# KiCad board untitled.kicad_pcb (continued)
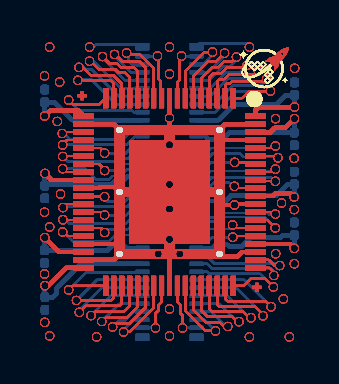
[diagram p0: board, top side]
## Routing (per net, layer and track width the routed paths; a pad name or vN(x,y) marks a point on that pad's centre or on a via; arc(x,y) is an arc through that point) (continued)
/PIN 1: length 123.4
  Top w0.1: 5.72,11.89 5.72,11.22 ; 5.72,11.89 5.71,11.9 ; 5.72,11.89 5.71,11.9 ; 5.72,11.89 5.72,11.22 ; 5.72,11.89 5.72,11.22 ; 5.72,11.89 5.72,11.22 ; 5.72,11.89 5.71,11.9 ; 5.72,11.89 5.71,11.9 ; 5.72,11.89 5.72,11.22 ; 5.72,11.89 5.71,11.9 ; 5.72,11.89 5.71,11.9 ; 5.72,11.89 5.71,11.9 ; 5.72,11.89 5.71,11.9 ; 5.72,11.89 5.71,11.9 ; 5.72,11.89 5.72,11.22 ; 5.72,11.89 5.71,11.9 ; 5.72,11.89 5.72,11.22 ; 5.72,11.89 5.72,11.22 ; 5.72,11.89 5.71,11.9 ; 5.72,11.89 5.72,11.22 ; 5.72,11.89 5.71,11.9 ; 5.72,11.89 5.71,11.9 ; 5.72,11.89 5.72,11.22 ; 5.72,11.89 5.72,11.22 ; 5.72,11.89 5.72,11.22 ; 5.72,11.89 5.72,11.22 ; 5.72,11.89 5.71,11.9 ; 5.72,11.89 5.72,11.22 ; 5.72,11.89 5.71,11.9 ; 5.72,11.89 5.72,11.22 ; 5.72,11.89 5.71,11.9 ; 5.72,11.89 5.71,11.9 ; 5.72,11.89 5.71,11.9 ; 5.72,11.89 5.72,11.22 ; 5.72,11.89 5.72,11.22 ; 5.72,11.89 5.72,11.22 ; 5.72,11.89 5.71,11.9 ; 5.72,11.89 5.72,11.22 ; 5.72,11.89 5.71,11.9 ; 5.72,11.89 5.71,11.9 ; 5.72,11.89 5.72,11.22 ; 5.72,11.89 5.71,11.9 ; 5.72,11.89 5.72,11.22 ; 5.72,11.89 5.72,11.22 ; 5.72,11.89 5.72,11.22 ; 5.72,11.89 5.71,11.9 ; 5.72,11.89 5.72,11.22 ; 5.72,11.89 5.71,11.9 ; 5.72,11.89 5.71,11.9 ; 5.72,11.89 5.72,11.22 ; 5.72,11.89 5.71,11.9 ; 5.72,11.89 5.72,11.22 ; 5.72,11.89 5.72,11.22 ; 5.72,11.89 5.71,11.9 ; 5.72,11.89 5.71,11.9 ; 5.72,11.89 5.72,11.22 ; 5.72,11.89 5.71,11.9 ; 5.72,11.89 5.71,11.9 ; 5.72,11.89 5.71,11.9 ; 5.72,11.89 5.71,11.9 ; 5.72,11.89 5.72,11.22 ; 5.72,11.89 5.71,11.9 ; 5.72,11.89 5.72,11.22 ; 5.72,11.89 5.71,11.9 ; 5.72,11.89 5.72,11.22 ; 5.72,11.89 5.71,11.9 ; 5.72,11.89 5.71,11.9 ; 5.72,11.89 5.71,11.9 ; 5.72,11.89 5.72,11.22 ; 5.72,11.89 5.72,11.22 ; 5.72,11.89 5.72,11.22 ; 5.72,11.89 5.71,11.9 ; 5.72,11.89 5.72,11.22 ; 5.72,11.89 5.72,11.22 ; 5.72,11.89 5.72,11.22 ; 5.72,11.89 5.71,11.9 ; 5.72,11.89 5.72,11.22 ; 5.72,11.89 5.71,11.9 ; 5.72,11.89 5.72,11.22 ; 5.72,11.89 5.72,11.22 ; 5.72,11.89 5.71,11.9 ; 5.72,11.89 5.72,11.22 ; 5.72,11.89 5.71,11.9 ; 5.72,11.89 5.72,11.22 ; 5.72,11.22 5.8,11.14 ; 5.72,11.22 5.8,11.14 ; 5.72,11.22 5.8,11.14 ; 5.72,11.22 5.8,11.14 ; 5.72,11.22 5.8,11.14 ; 5.72,11.22 5.8,11.14 ; 5.72,11.22 5.8,11.14 ; 5.72,11.22 5.8,11.14 ; 5.72,11.22 5.8,11.14 ; 5.72,11.22 5.8,11.14 ; 5.72,11.22 5.8,11.14 ; 5.72,11.22 5.8,11.14 ; 5.72,11.22 5.8,11.14 ; 5.72,11.22 5.8,11.14 ; 5.72,11.22 5.8,11.14 ; 5.72,11.22 5.8,11.14 ; 5.72,11.22 5.8,11.14 ; 5.72,11.22 5.8,11.14 ; 5.72,11.22 5.8,11.14 ; 5.72,11.22 5.8,11.14 ; 5.72,11.22 5.8,11.14 ; 5.72,11.22 5.8,11.14 ; 5.72,11.22 5.8,11.14 ; 5.72,11.22 5.8,11.14 ; 5.72,11.22 5.8,11.14 ; 5.72,11.22 5.8,11.14 ; 5.72,11.22 5.8,11.14 ; 5.72,11.22 5.8,11.14 ; 5.72,11.22 5.8,11.14 ; 5.72,11.22 5.8,11.14 ; 5.72,11.22 5.8,11.14 ; 5.72,11.22 5.8,11.14 ; 5.72,11.22 5.8,11.14 ; 5.72,11.22 5.8,11.14 ; 5.72,11.22 5.8,11.14 ; 5.72,11.22 5.8,11.14 ; 5.72,11.22 5.8,11.14 ; 5.72,11.22 5.8,11.14 ; 5.72,11.22 5.8,11.14 ; 5.72,11.22 5.8,11.14 ; 5.72,11.22 5.8,11.14 ; 5.72,11.22 5.8,11.14 ; v1(5.66,12.38) 5.66,12.28 ; v1(5.66,12.38) 5.66,12.28 ; v1(5.66,12.38) 5.66,12.28 ; v1(5.66,12.38) 5.66,12.28 ; v1(5.66,12.38) 5.66,12.28 ; v1(5.66,12.38) 5.66,12.28 ; v1(5.66,12.38) 5.66,12.28 ; v1(5.66,12.38) 5.66,12.28 ; v1(5.66,12.38) 5.66,12.28 ; v1(5.66,12.38) 5.66,12.28 ; v1(5.66,12.38) 5.66,12.28 ; v1(5.66,12.38) 5.66,12.28 ; v1(5.66,12.38) 5.66,12.28 ; v1(5.66,12.38) 5.66,12.28 ; v1(5.66,12.38) 5.66,12.28 ; v1(5.66,12.38) 5.66,12.28 ; v1(5.66,12.38) 5.66,12.28 ; v1(5.66,12.38) 5.66,12.28 ; v1(5.66,12.38) 5.66,12.28 ; v1(5.66,12.38) 5.66,12.28 ; v1(5.66,12.38) 5.66,12.28 ; v1(5.66,12.38) 5.66,12.28 ; v1(5.66,12.38) 5.66,12.28 ; v1(5.66,12.38) 5.66,12.28 ; v1(5.66,12.38) 5.66,12.28 ; v1(5.66,12.38) 5.66,12.28 ; v1(5.66,12.38) 5.66,12.28 ; v1(5.66,12.38) 5.66,12.28 ; v1(5.66,12.38) 5.66,12.28 ; v1(5.66,12.38) 5.66,12.28 ; v1(5.66,12.38) 5.66,12.28 ; v1(5.66,12.38) 5.66,12.28 ; v1(5.66,12.38) 5.66,12.28 ; v1(5.66,12.38) 5.66,12.28 ; v1(5.66,12.38) 5.66,12.28 ; v1(5.66,12.38) 5.66,12.28 ; v1(5.66,12.38) 5.66,12.28 ; v1(5.66,12.38) 5.66,12.28 ; v1(5.66,12.38) 5.66,12.28 ; v1(5.66,12.38) 5.66,12.28 ; v1(5.66,12.38) 5.66,12.28 ; v1(5.66,12.38) 5.66,12.28 ; 5.66,12.28 5.71,12.23 ; 5.66,12.28 5.71,12.23 ; 5.66,12.28 5.71,12.23 ; 5.66,12.28 5.71,12.23 ; 5.66,12.28 5.71,12.23 ; 5.66,12.28 5.71,12.23 ; 5.66,12.28 5.71,12.23 ; 5.66,12.28 5.71,12.23 ; 5.66,12.28 5.71,12.23 ; 5.66,12.28 5.71,12.23 ; 5.66,12.28 5.71,12.23 ; 5.66,12.28 5.71,12.23 ; 5.66,12.28 5.71,12.23 ; 5.66,12.28 5.71,12.23 ; 5.66,12.28 5.71,12.23 ; 5.66,12.28 5.71,12.23 ; 5.66,12.28 5.71,12.23 ; 5.66,12.28 5.71,12.23 ; 5.66,12.28 5.71,12.23 ; 5.66,12.28 5.71,12.23 ; 5.66,12.28 5.71,12.23 ; 5.66,12.28 5.71,12.23 ; 5.66,12.28 5.71,12.23 ; 5.66,12.28 5.71,12.23 ; 5.66,12.28 5.71,12.23 ; 5.66,12.28 5.71,12.23 ; 5.66,12.28 5.71,12.23 ; 5.66,12.28 5.71,12.23 ; 5.66,12.28 5.71,12.23 ; 5.66,12.28 5.71,12.23 ; 5.66,12.28 5.71,12.23 ; 5.66,12.28 5.71,12.23 ; 5.66,12.28 5.71,12.23 ; 5.66,12.28 5.71,12.23 ; 5.66,12.28 5.71,12.23 ; 5.66,12.28 5.71,12.23 ; 5.66,12.28 5.71,12.23 ; 5.66,12.28 5.71,12.23 ; 5.66,12.28 5.71,12.23 ; 5.66,12.28 5.71,12.23 ; 5.66,12.28 5.71,12.23 ; 5.66,12.28 5.71,12.23 ; 5.8,11.14 5.8,10.34 ; 5.8,11.14 5.8,10.34 ; 5.8,11.14 5.8,10.34 ; 5.8,11.14 5.8,10.34 ; 5.8,11.14 5.8,10.34 ; 5.8,11.14 5.8,10.34 ; 5.8,11.14 5.8,10.34 ; 5.8,11.14 5.8,10.34 ; 5.8,11.14 5.8,10.34 ; 5.8,11.14 5.8,10.34 ; 5.8,11.14 5.8,10.34 ; 5.8,11.14 5.8,10.34 ; 5.8,11.14 5.8,10.34 ; 5.8,11.14 5.8,10.34 ; 5.8,11.14 5.8,10.34 ; 5.8,11.14 5.8,10.34 ; 5.8,11.14 5.8,10.34 ; 5.8,11.14 5.8,10.34 ; 5.8,11.14 5.8,10.34 ; 5.8,11.14 5.8,10.34 ; 5.8,11.14 5.8,10.34 ; 5.8,11.14 5.8,10.34 ; 5.8,11.14 5.8,10.34 ; 5.8,11.14 5.8,10.34 ; 5.8,11.14 5.8,10.34 ; 5.8,11.14 5.8,10.34 ; 5.8,11.14 5.8,10.34 ; 5.8,11.14 5.8,10.34 ; 5.8,11.14 5.8,10.34 ; 5.8,11.14 5.8,10.34 ; 5.8,11.14 5.8,10.34 ; 5.8,11.14 5.8,10.34 ; 5.8,11.14 5.8,10.34 ; 5.8,11.14 5.8,10.34 ; 5.8,11.14 5.8,10.34 ; 5.8,11.14 5.8,10.34 ; 5.8,11.14 5.8,10.34 ; 5.8,11.14 5.8,10.34 ; 5.8,11.14 5.8,10.34 ; 5.8,11.14 5.8,10.34 ; 5.8,11.14 5.8,10.34 ; 5.8,11.14 5.8,10.34 ; 5.8,10.34 J158.10 ; 5.8,10.34 J158.10 ; 5.8,10.34 J158.10 ; 5.8,10.34 J158.10 ; 5.8,10.34 J158.10 ; 5.8,10.34 J158.10 ; 5.8,10.34 J158.10 ; 5.8,10.34 J158.10 ; 5.8,10.34 J158.10 ; 5.8,10.34 J158.10 ; 5.8,10.34 J158.10 ; 5.8,10.34 J158.10 ; 5.8,10.34 J158.10 ; 5.8,10.34 J158.10 ; 5.8,10.34 J158.10 ; 5.8,10.34 J158.10 ; 5.8,10.34 J158.10 ; 5.8,10.34 J158.10 ; 5.8,10.34 J158.10 ; 5.8,10.34 J158.10 ; 5.8,10.34 J158.10 ; 5.8,10.34 J158.10 ; 5.8,10.34 J158.10 ; 5.8,10.34 J158.10 ; 5.8,10.34 J158.10 ; 5.8,10.34 J158.10 ; 5.8,10.34 J158.10 ; 5.8,10.34 J158.10 ; 5.8,10.34 J158.10 ; 5.8,10.34 J158.10 ; 5.8,10.34 J158.10 ; 5.8,10.34 J158.10 ; 5.8,10.34 J158.10 ; 5.8,10.34 J158.10 ; 5.8,10.34 J158.10 ; 5.8,10.34 J158.10 ; 5.8,10.34 J158.10 ; 5.8,10.34 J158.10 ; 5.8,10.34 J158.10 ; 5.8,10.34 J158.10 ; 5.8,10.34 J158.10 ; 5.8,10.34 J158.10 ; 5.71,11.9 5.71,12.23 ; 5.71,11.9 5.71,12.23 ; 5.71,11.9 5.71,12.23 ; 5.71,11.9 5.71,12.23 ; 5.71,11.9 5.71,12.23 ; 5.71,11.9 5.71,12.23 ; 5.71,11.9 5.71,12.23 ; 5.71,11.9 5.71,12.23 ; 5.71,11.9 5.71,12.23 ; 5.71,11.9 5.71,12.23 ; 5.71,11.9 5.71,12.23 ; 5.71,11.9 5.71,12.23 ; 5.71,11.9 5.71,12.23 ; 5.71,11.9 5.71,12.23 ; 5.71,11.9 5.71,12.23 ; 5.71,11.9 5.71,12.23 ; 5.71,11.9 5.71,12.23 ; 5.71,11.9 5.71,12.23 ; 5.71,11.9 5.71,12.23 ; 5.71,11.9 5.71,12.23 ; 5.71,11.9 5.71,12.23 ; 5.71,11.9 5.71,12.23 ; 5.71,11.9 5.71,12.23 ; 5.71,11.9 5.71,12.23 ; 5.71,11.9 5.71,12.23 ; 5.71,11.9 5.71,12.23 ; 5.71,11.9 5.71,12.23 ; 5.71,11.9 5.71,12.23 ; 5.71,11.9 5.71,12.23 ; 5.71,11.9 5.71,12.23 ; 5.71,11.9 5.71,12.23 ; 5.71,11.9 5.71,12.23 ; 5.71,11.9 5.71,12.23 ; 5.71,11.9 5.71,12.23 ; 5.71,11.9 5.71,12.23 ; 5.71,11.9 5.71,12.23 ; 5.71,11.9 5.71,12.23 ; 5.71,11.9 5.71,12.23 ; 5.71,11.9 5.71,12.23 ; 5.71,11.9 5.71,12.23 ; 5.71,11.9 5.71,12.23 ; 5.71,11.9 5.71,12.23
  Bottom w0.1: v1(5.66,12.38) J173.70 ; v1(5.66,12.38) J173.70 ; v1(5.66,12.38) J173.70 ; v1(5.66,12.38) J173.70 ; v1(5.66,12.38) J173.70 ; v1(5.66,12.38) J173.70 ; v1(5.66,12.38) J173.70 ; v1(5.66,12.38) J173.70 ; v1(5.66,12.38) J173.70 ; v1(5.66,12.38) J173.70 ; v1(5.66,12.38) J173.70 ; v1(5.66,12.38) J173.70 ; v1(5.66,12.38) J173.70 ; v1(5.66,12.38) J173.70 ; v1(5.66,12.38) J173.70 ; v1(5.66,12.38) J173.70 ; v1(5.66,12.38) J173.70 ; v1(5.66,12.38) J173.70 ; v1(5.66,12.38) J173.70 ; v1(5.66,12.38) J173.70 ; v1(5.66,12.38) J173.70 ; v1(5.66,12.38) J173.70 ; v1(5.66,12.38) J173.70 ; v1(5.66,12.38) J173.70 ; v1(5.66,12.38) J173.70 ; v1(5.66,12.38) J173.70 ; v1(5.66,12.38) J173.70 ; v1(5.66,12.38) J173.70 ; v1(5.66,12.38) J173.70 ; v1(5.66,12.38) J173.70 ; v1(5.66,12.38) J173.70 ; v1(5.66,12.38) J173.70 ; v1(5.66,12.38) J173.70 ; v1(5.66,12.38) J173.70 ; v1(5.66,12.38) J173.70 ; v1(5.66,12.38) J173.70 ; v1(5.66,12.38) J173.70 ; v1(5.66,12.38) J173.70 ; v1(5.66,12.38) J173.70 ; v1(5.66,12.38) J173.70 ; v1(5.66,12.38) J173.70 ; v1(5.66,12.38) J173.70
/PIN 2: length 184.3
  Top w0.1: 5.46,11.78 J158.11 ; 5.46,11.78 J158.11 ; 5.46,11.78 4.76,12.48 ; 5.46,11.78 J158.11 ; 5.46,11.78 4.76,12.48 ; 5.46,11.78 4.76,12.48 ; 5.46,11.78 4.76,12.48 ; 5.46,11.78 4.76,12.48 ; 5.46,11.78 4.76,12.48 ; 5.46,11.78 J158.11 ; 5.46,11.78 J158.11 ; 5.46,11.78 4.76,12.48 ; 5.46,11.78 J158.11 ; 5.46,11.78 J158.11 ; 5.46,11.78 J158.11 ; 5.46,11.78 J158.11 ; 5.46,11.78 J158.11 ; 5.46,11.78 4.76,12.48 ; 5.46,11.78 J158.11 ; 5.46,11.78 J158.11 ; 5.46,11.78 4.76,12.48 ; 5.46,11.78 J158.11 ; 5.46,11.78 4.76,12.48 ; 5.46,11.78 J158.11 ; 5.46,11.78 J158.11 ; 5.46,11.78 4.76,12.48 ; 5.46,11.78 J158.11 ; 5.46,11.78 4.76,12.48 ; 5.46,11.78 J158.11 ; 5.46,11.78 4.76,12.48 ; 5.46,11.78 J158.11 ; 5.46,11.78 4.76,12.48 ; 5.46,11.78 4.76,12.48 ; 5.46,11.78 4.76,12.48 ; 5.46,11.78 4.76,12.48 ; 5.46,11.78 4.76,12.48 ; 5.46,11.78 J158.11 ; 5.46,11.78 4.76,12.48 ; 5.46,11.78 4.76,12.48 ; 5.46,11.78 4.76,12.48 ; 5.46,11.78 J158.11 ; 5.46,11.78 J158.11 ; 5.46,11.78 4.76,12.48 ; 5.46,11.78 4.76,12.48 ; 5.46,11.78 J158.11 ; 5.46,11.78 J158.11 ; 5.46,11.78 J158.11 ; 5.46,11.78 4.76,12.48 ; 5.46,11.78 J158.11 ; 5.46,11.78 J158.11 ; 5.46,11.78 4.76,12.48 ; 5.46,11.78 4.76,12.48 ; 5.46,11.78 J158.11 ; 5.46,11.78 4.76,12.48 ; 5.46,11.78 J158.11 ; 5.46,11.78 4.76,12.48 ; 5.46,11.78 J158.11 ; 5.46,11.78 J158.11 ; 5.46,11.78 J158.11 ; 5.46,11.78 J158.11 ; 5.46,11.78 J158.11 ; 5.46,11.78 J158.11 ; 5.46,11.78 J158.11 ; 5.46,11.78 4.76,12.48 ; 5.46,11.78 4.76,12.48 ; 5.46,11.78 4.76,12.48 ; 5.46,11.78 4.76,12.48 ; 5.46,11.78 4.76,12.48 ; 5.46,11.78 J158.11 ; 5.46,11.78 J158.11 ; 5.46,11.78 J158.11 ; 5.46,11.78 J158.11 ; 5.46,11.78 J158.11 ; 5.46,11.78 4.76,12.48 ; 5.46,11.78 J158.11 ; 5.46,11.78 4.76,12.48 ; 5.46,11.78 4.76,12.48 ; 5.46,11.78 J158.11 ; 5.46,11.78 4.76,12.48 ; 5.46,11.78 4.76,12.48 ; 5.46,11.78 4.76,12.48 ; 5.46,11.78 4.76,12.48 ; 5.46,11.78 4.76,12.48 ; 5.46,11.78 4.76,12.48 ; 4.16,12.48 4.76,12.48 ; 4.16,12.48 4.76,12.48 ; 4.16,12.48 v1(4.11,12.53) ; 4.16,12.48 v1(4.11,12.53) ; 4.16,12.48 4.76,12.48 ; 4.16,12.48 v1(4.11,12.53) ; 4.16,12.48 4.76,12.48 ; 4.16,12.48 v1(4.11,12.53) ; 4.16,12.48 4.76,12.48 ; 4.16,12.48 4.76,12.48 ; 4.16,12.48 4.76,12.48 ; 4.16,12.48 v1(4.11,12.53) ; 4.16,12.48 v1(4.11,12.53) ; 4.16,12.48 v1(4.11,12.53) ; 4.16,12.48 4.76,12.48 ; 4.16,12.48 4.76,12.48 ; 4.16,12.48 v1(4.11,12.53) ; 4.16,12.48 4.76,12.48 ; 4.16,12.48 v1(4.11,12.53) ; 4.16,12.48 v1(4.11,12.53) ; 4.16,12.48 4.76,12.48 ; 4.16,12.48 v1(4.11,12.53) ; 4.16,12.48 v1(4.11,12.53) ; 4.16,12.48 v1(4.11,12.53) ; 4.16,12.48 v1(4.11,12.53) ; 4.16,12.48 v1(4.11,12.53) ; 4.16,12.48 4.76,12.48 ; 4.16,12.48 v1(4.11,12.53) ; 4.16,12.48 4.76,12.48 ; 4.16,12.48 4.76,12.48 ; 4.16,12.48 4.76,12.48 ; 4.16,12.48 v1(4.11,12.53) ; 4.16,12.48 v1(4.11,12.53) ; 4.16,12.48 4.76,12.48 ; 4.16,12.48 v1(4.11,12.53) ; 4.16,12.48 v1(4.11,12.53) ; 4.16,12.48 v1(4.11,12.53) ; 4.16,12.48 4.76,12.48 ; 4.16,12.48 4.76,12.48 ; 4.16,12.48 4.76,12.48 ; 4.16,12.48 v1(4.11,12.53) ; 4.16,12.48 v1(4.11,12.53) ; 4.16,12.48 4.76,12.48 ; 4.16,12.48 4.76,12.48 ; 4.16,12.48 4.76,12.48 ; 4.16,12.48 v1(4.11,12.53) ; 4.16,12.48 v1(4.11,12.53) ; 4.16,12.48 v1(4.11,12.53) ; 4.16,12.48 4.76,12.48 ; 4.16,12.48 v1(4.11,12.53) ; 4.16,12.48 v1(4.11,12.53) ; 4.16,12.48 4.76,12.48 ; 4.16,12.48 v1(4.11,12.53) ; 4.16,12.48 v1(4.11,12.53) ; 4.16,12.48 v1(4.11,12.53) ; 4.16,12.48 4.76,12.48 ; 4.16,12.48 4.76,12.48 ; 4.16,12.48 4.76,12.48 ; 4.16,12.48 v1(4.11,12.53) ; 4.16,12.48 v1(4.11,12.53) ; 4.16,12.48 4.76,12.48 ; 4.16,12.48 4.76,12.48 ; 4.16,12.48 4.76,12.48 ; 4.16,12.48 v1(4.11,12.53) ; 4.16,12.48 4.76,12.48 ; 4.16,12.48 v1(4.11,12.53) ; 4.16,12.48 4.76,12.48 ; 4.16,12.48 v1(4.11,12.53) ; 4.16,12.48 4.76,12.48 ; 4.16,12.48 4.76,12.48 ; 4.16,12.48 v1(4.11,12.53) ; 4.16,12.48 4.76,12.48 ; 4.16,12.48 4.76,12.48 ; 4.16,12.48 4.76,12.48 ; 4.16,12.48 v1(4.11,12.53) ; 4.16,12.48 4.76,12.48 ; 4.16,12.48 4.76,12.48 ; 4.16,12.48 v1(4.11,12.53) ; 4.16,12.48 v1(4.11,12.53) ; 4.16,12.48 4.76,12.48 ; 4.16,12.48 4.76,12.48 ; 4.16,12.48 4.76,12.48 ; 4.16,12.48 v1(4.11,12.53) ; 4.16,12.48 v1(4.11,12.53)
  Bottom w0.1: v1(4.11,12.53) 4.16,12.53 ; v1(4.11,12.53) 4.16,12.53 ; v1(4.11,12.53) 4.16,12.53 ; v1(4.11,12.53) 4.16,12.53 ; v1(4.11,12.53) 4.16,12.53 ; v1(4.11,12.53) 4.16,12.53 ; v1(4.11,12.53) 4.16,12.53 ; v1(4.11,12.53) 4.16,12.53 ; v1(4.11,12.53) 4.16,12.53 ; v1(4.11,12.53) 4.16,12.53 ; v1(4.11,12.53) 4.16,12.53 ; v1(4.11,12.53) 4.16,12.53 ; v1(4.11,12.53) 4.16,12.53 ; v1(4.11,12.53) 4.16,12.53 ; v1(4.11,12.53) 4.16,12.53 ; v1(4.11,12.53) 4.16,12.53 ; v1(4.11,12.53) 4.16,12.53 ; v1(4.11,12.53) 4.16,12.53 ; v1(4.11,12.53) 4.16,12.53 ; v1(4.11,12.53) 4.16,12.53 ; v1(4.11,12.53) 4.16,12.53 ; v1(4.11,12.53) 4.16,12.53 ; v1(4.11,12.53) 4.16,12.53 ; v1(4.11,12.53) 4.16,12.53 ; v1(4.11,12.53) 4.16,12.53 ; v1(4.11,12.53) 4.16,12.53 ; v1(4.11,12.53) 4.16,12.53 ; v1(4.11,12.53) 4.16,12.53 ; v1(4.11,12.53) 4.16,12.53 ; v1(4.11,12.53) 4.16,12.53 ; v1(4.11,12.53) 4.16,12.53 ; v1(4.11,12.53) 4.16,12.53 ; v1(4.11,12.53) 4.16,12.53 ; v1(4.11,12.53) 4.16,12.53 ; v1(4.11,12.53) 4.16,12.53 ; v1(4.11,12.53) 4.16,12.53 ; v1(4.11,12.53) 4.16,12.53 ; v1(4.11,12.53) 4.16,12.53 ; v1(4.11,12.53) 4.16,12.53 ; v1(4.11,12.53) 4.16,12.53 ; v1(4.11,12.53) 4.16,12.53 ; v1(4.11,12.53) 4.16,12.53 ; 4.16,12.53 4.19,12.5 ; 4.16,12.53 4.19,12.5 ; 4.16,12.53 4.19,12.5 ; 4.16,12.53 4.19,12.5 ; 4.16,12.53 4.19,12.5 ; 4.16,12.53 4.19,12.5 ; 4.16,12.53 4.19,12.5 ; 4.16,12.53 4.19,12.5 ; 4.16,12.53 4.19,12.5 ; 4.16,12.53 4.19,12.5 ; 4.16,12.53 4.19,12.5 ; 4.16,12.53 4.19,12.5 ; 4.16,12.53 4.19,12.5 ; 4.16,12.53 4.19,12.5 ; 4.16,12.53 4.19,12.5 ; 4.16,12.53 4.19,12.5 ; 4.16,12.53 4.19,12.5 ; 4.16,12.53 4.19,12.5 ; 4.16,12.53 4.19,12.5 ; 4.16,12.53 4.19,12.5 ; 4.16,12.53 4.19,12.5 ; 4.16,12.53 4.19,12.5 ; 4.16,12.53 4.19,12.5 ; 4.16,12.53 4.19,12.5 ; 4.16,12.53 4.19,12.5 ; 4.16,12.53 4.19,12.5 ; 4.16,12.53 4.19,12.5 ; 4.16,12.53 4.19,12.5 ; 4.16,12.53 4.19,12.5 ; 4.16,12.53 4.19,12.5 ; 4.16,12.53 4.19,12.5 ; 4.16,12.53 4.19,12.5 ; 4.16,12.53 4.19,12.5 ; 4.16,12.53 4.19,12.5 ; 4.16,12.53 4.19,12.5 ; 4.16,12.53 4.19,12.5 ; 4.16,12.53 4.19,12.5 ; 4.16,12.53 4.19,12.5 ; 4.16,12.53 4.19,12.5 ; 4.16,12.53 4.19,12.5 ; 4.16,12.53 4.19,12.5 ; 4.16,12.53 4.19,12.5 ; 4.19,12.5 4.19,12.15 ; 4.19,12.5 4.19,12.15 ; 4.19,12.5 4.19,12.15 ; 4.19,12.5 4.19,12.15 ; 4.19,12.5 4.19,12.15 ; 4.19,12.5 4.19,12.15 ; 4.19,12.5 4.19,12.15 ; 4.19,12.5 4.19,12.15 ; 4.19,12.5 4.19,12.15 ; 4.19,12.5 4.19,12.15 ; 4.19,12.5 4.19,12.15 ; 4.19,12.5 4.19,12.15 ; 4.19,12.5 4.19,12.15 ; 4.19,12.5 4.19,12.15 ; 4.19,12.5 4.19,12.15 ; 4.19,12.5 4.19,12.15 ; 4.19,12.5 4.19,12.15 ; 4.19,12.5 4.19,12.15 ; 4.19,12.5 4.19,12.15 ; 4.19,12.5 4.19,12.15 ; 4.19,12.5 4.19,12.15 ; 4.19,12.5 4.19,12.15 ; 4.19,12.5 4.19,12.15 ; 4.19,12.5 4.19,12.15 ; 4.19,12.5 4.19,12.15 ; 4.19,12.5 4.19,12.15 ; 4.19,12.5 4.19,12.15 ; 4.19,12.5 4.19,12.15 ; 4.19,12.5 4.19,12.15 ; 4.19,12.5 4.19,12.15 ; 4.19,12.5 4.19,12.15 ; 4.19,12.5 4.19,12.15 ; 4.19,12.5 4.19,12.15 ; 4.19,12.5 4.19,12.15 ; 4.19,12.5 4.19,12.15 ; 4.19,12.5 4.19,12.15 ; 4.19,12.5 4.19,12.15 ; 4.19,12.5 4.19,12.15 ; 4.19,12.5 4.19,12.15 ; 4.19,12.5 4.19,12.15 ; 4.19,12.5 4.19,12.15 ; 4.19,12.5 4.19,12.15 ; 4.19,12.15 4.36,11.98 ; 4.19,12.15 4.36,11.98 ; 4.19,12.15 4.36,11.98 ; 4.19,12.15 4.36,11.98 ; 4.19,12.15 4.36,11.98 ; 4.19,12.15 4.36,11.98 ; 4.19,12.15 4.36,11.98 ; 4.19,12.15 4.36,11.98 ; 4.19,12.15 4.36,11.98 ; 4.19,12.15 4.36,11.98 ; 4.19,12.15 4.36,11.98 ; 4.19,12.15 4.36,11.98 ; 4.19,12.15 4.36,11.98 ; 4.19,12.15 4.36,11.98 ; 4.19,12.15 4.36,11.98 ; 4.19,12.15 4.36,11.98 ; 4.19,12.15 4.36,11.98 ; 4.19,12.15 4.36,11.98 ; 4.19,12.15 4.36,11.98 ; 4.19,12.15 4.36,11.98 ; 4.19,12.15 4.36,11.98 ; 4.19,12.15 4.36,11.98 ; 4.19,12.15 4.36,11.98 ; 4.19,12.15 4.36,11.98 ; 4.19,12.15 4.36,11.98 ; 4.19,12.15 4.36,11.98 ; 4.19,12.15 4.36,11.98 ; 4.19,12.15 4.36,11.98 ; 4.19,12.15 4.36,11.98 ; 4.19,12.15 4.36,11.98 ; 4.19,12.15 4.36,11.98 ; 4.19,12.15 4.36,11.98 ; 4.19,12.15 4.36,11.98 ; 4.19,12.15 4.36,11.98 ; 4.19,12.15 4.36,11.98 ; 4.19,12.15 4.36,11.98 ; 4.19,12.15 4.36,11.98 ; 4.19,12.15 4.36,11.98 ; 4.19,12.15 4.36,11.98 ; 4.19,12.15 4.36,11.98 ; 4.19,12.15 4.36,11.98 ; 4.19,12.15 4.36,11.98 ; 4.36,11.98 J173.69 ; 4.36,11.98 J173.69 ; 4.36,11.98 J173.69 ; 4.36,11.98 J173.69 ; 4.36,11.98 J173.69 ; 4.36,11.98 J173.69 ; 4.36,11.98 J173.69 ; 4.36,11.98 J173.69 ; 4.36,11.98 J173.69 ; 4.36,11.98 J173.69 ; 4.36,11.98 J173.69 ; 4.36,11.98 J173.69 ; 4.36,11.98 J173.69 ; 4.36,11.98 J173.69 ; 4.36,11.98 J173.69 ; 4.36,11.98 J173.69 ; 4.36,11.98 J173.69 ; 4.36,11.98 J173.69 ; 4.36,11.98 J173.69 ; 4.36,11.98 J173.69 ; 4.36,11.98 J173.69 ; 4.36,11.98 J173.69 ; 4.36,11.98 J173.69 ; 4.36,11.98 J173.69 ; 4.36,11.98 J173.69 ; 4.36,11.98 J173.69 ; 4.36,11.98 J173.69 ; 4.36,11.98 J173.69 ; 4.36,11.98 J173.69 ; 4.36,11.98 J173.69 ; 4.36,11.98 J173.69 ; 4.36,11.98 J173.69 ; 4.36,11.98 J173.69 ; 4.36,11.98 J173.69 ; 4.36,11.98 J173.69 ; 4.36,11.98 J173.69 ; 4.36,11.98 J173.69 ; 4.36,11.98 J173.69 ; 4.36,11.98 J173.69 ; 4.36,11.98 J173.69 ; 4.36,11.98 J173.69 ; 4.36,11.98 J173.69
/PIN 3: length 221.4
  Top w0.1: 3.6,12.41 3.92,12.09 ; 3.6,12.41 3.46,12.41 ; 3.6,12.41 3.46,12.41 ; 3.6,12.41 3.92,12.09 ; 3.6,12.41 3.46,12.41 ; 3.6,12.41 3.46,12.41 ; 3.6,12.41 3.46,12.41 ; 3.6,12.41 3.46,12.41 ; 3.6,12.41 3.92,12.09 ; 3.6,12.41 3.92,12.09 ; 3.6,12.41 3.92,12.09 ; 3.6,12.41 3.92,12.09 ; 3.6,12.41 3.92,12.09 ; 3.6,12.41 3.92,12.09 ; 3.6,12.41 3.92,12.09 ; 3.6,12.41 3.46,12.41 ; 3.6,12.41 3.92,12.09 ; 3.6,12.41 3.46,12.41 ; 3.6,12.41 3.46,12.41 ; 3.6,12.41 3.46,12.41 ; 3.6,12.41 3.46,12.41 ; 3.6,12.41 3.46,12.41 ; 3.6,12.41 3.92,12.09 ; 3.6,12.41 3.92,12.09 ; 3.6,12.41 3.46,12.41 ; 3.6,12.41 3.92,12.09 ; 3.6,12.41 3.46,12.41 ; 3.6,12.41 3.46,12.41 ; 3.6,12.41 3.92,12.09 ; 3.6,12.41 3.46,12.41 ; 3.6,12.41 3.92,12.09 ; 3.6,12.41 3.92,12.09 ; 3.6,12.41 3.46,12.41 ; 3.6,12.41 3.92,12.09 ; 3.6,12.41 3.46,12.41 ; 3.6,12.41 3.46,12.41 ; 3.6,12.41 3.92,12.09 ; 3.6,12.41 3.46,12.41 ; 3.6,12.41 3.92,12.09 ; 3.6,12.41 3.46,12.41 ; 3.6,12.41 3.46,12.41 ; 3.6,12.41 3.92,12.09 ; 3.6,12.41 3.46,12.41 ; 3.6,12.41 3.46,12.41 ; 3.6,12.41 3.92,12.09 ; 3.6,12.41 3.46,12.41 ; 3.6,12.41 3.46,12.41 ; 3.6,12.41 3.46,12.41 ; 3.6,12.41 3.92,12.09 ; 3.6,12.41 3.92,12.09 ; 3.6,12.41 3.92,12.09 ; 3.6,12.41 3.46,12.41 ; 3.6,12.41 3.46,12.41 ; 3.6,12.41 3.46,12.41 ; 3.6,12.41 3.46,12.41 ; 3.6,12.41 3.92,12.09 ; 3.6,12.41 3.92,12.09 ; 3.6,12.41 3.92,12.09 ; 3.6,12.41 3.92,12.09 ; 3.6,12.41 3.92,12.09 ; 3.6,12.41 3.46,12.41 ; 3.6,12.41 3.92,12.09 ; 3.6,12.41 3.92,12.09 ; 3.6,12.41 3.92,12.09 ; 3.6,12.41 3.92,12.09 ; 3.6,12.41 3.92,12.09 ; 3.6,12.41 3.46,12.41 ; 3.6,12.41 3.46,12.41 ; 3.6,12.41 3.46,12.41 ; 3.6,12.41 3.46,12.41 ; 3.6,12.41 3.92,12.09 ; 3.6,12.41 3.46,12.41 ; 3.6,12.41 3.46,12.41 ; 3.6,12.41 3.46,12.41 ; 3.6,12.41 3.46,12.41 ; 3.6,12.41 3.46,12.41 ; 3.6,12.41 3.92,12.09 ; 3.6,12.41 3.92,12.09 ; 3.6,12.41 3.92,12.09 ; 3.6,12.41 3.92,12.09 ; 3.6,12.41 3.92,12.09 ; 3.6,12.41 3.92,12.09 ; 3.6,12.41 3.46,12.41 ; 3.6,12.41 3.92,12.09 ; 3.92,12.09 4.78,12.09 ; 3.92,12.09 4.78,12.09 ; 3.92,12.09 4.78,12.09 ; 3.92,12.09 4.78,12.09 ; 3.92,12.09 4.78,12.09 ; 3.92,12.09 4.78,12.09 ; 3.92,12.09 4.78,12.09 ; 3.92,12.09 4.78,12.09 ; 3.92,12.09 4.78,12.09 ; 3.92,12.09 4.78,12.09 ; 3.92,12.09 4.78,12.09 ; 3.92,12.09 4.78,12.09 ; 3.92,12.09 4.78,12.09 ; 3.92,12.09 4.78,12.09 ; 3.92,12.09 4.78,12.09 ; 3.92,12.09 4.78,12.09 ; 3.92,12.09 4.78,12.09 ; 3.92,12.09 4.78,12.09 ; 3.92,12.09 4.78,12.09 ; 3.92,12.09 4.78,12.09 ; 3.92,12.09 4.78,12.09 ; 3.92,12.09 4.78,12.09 ; 3.92,12.09 4.78,12.09 ; 3.92,12.09 4.78,12.09 ; 3.92,12.09 4.78,12.09 ; 3.92,12.09 4.78,12.09 ; 3.92,12.09 4.78,12.09 ; 3.92,12.09 4.78,12.09 ; 3.92,12.09 4.78,12.09 ; 3.92,12.09 4.78,12.09 ; 3.92,12.09 4.78,12.09 ; 3.92,12.09 4.78,12.09 ; 3.92,12.09 4.78,12.09 ; 3.92,12.09 4.78,12.09 ; 3.92,12.09 4.78,12.09 ; 3.92,12.09 4.78,12.09 ; 3.92,12.09 4.78,12.09 ; 3.92,12.09 4.78,12.09 ; 3.92,12.09 4.78,12.09 ; 3.92,12.09 4.78,12.09 ; 3.92,12.09 4.78,12.09 ; 3.92,12.09 4.78,12.09 ; 4.78,12.09 5.06,11.81 ; 4.78,12.09 5.06,11.81 ; 4.78,12.09 5.06,11.81 ; 4.78,12.09 5.06,11.81 ; 4.78,12.09 5.06,11.81 ; 4.78,12.09 5.06,11.81 ; 4.78,12.09 5.06,11.81 ; 4.78,12.09 5.06,11.81 ; 4.78,12.09 5.06,11.81 ; 4.78,12.09 5.06,11.81 ; 4.78,12.09 5.06,11.81 ; 4.78,12.09 5.06,11.81 ; 4.78,12.09 5.06,11.81 ; 4.78,12.09 5.06,11.81 ; 4.78,12.09 5.06,11.81 ; 4.78,12.09 5.06,11.81 ; 4.78,12.09 5.06,11.81 ; 4.78,12.09 5.06,11.81 ; 4.78,12.09 5.06,11.81 ; 4.78,12.09 5.06,11.81 ; 4.78,12.09 5.06,11.81 ; 4.78,12.09 5.06,11.81 ; 4.78,12.09 5.06,11.81 ; 4.78,12.09 5.06,11.81 ; 4.78,12.09 5.06,11.81 ; 4.78,12.09 5.06,11.81 ; 4.78,12.09 5.06,11.81 ; 4.78,12.09 5.06,11.81 ; 4.78,12.09 5.06,11.81 ; 4.78,12.09 5.06,11.81 ; 4.78,12.09 5.06,11.81 ; 4.78,12.09 5.06,11.81 ; 4.78,12.09 5.06,11.81 ; 4.78,12.09 5.06,11.81 ; 4.78,12.09 5.06,11.81 ; 4.78,12.09 5.06,11.81 ; 4.78,12.09 5.06,11.81 ; 4.78,12.09 5.06,11.81 ; 4.78,12.09 5.06,11.81 ; 4.78,12.09 5.06,11.81 ; 4.78,12.09 5.06,11.81 ; 4.78,12.09 5.06,11.81 ; 5.06,11.81 J158.12 ; 5.06,11.81 J158.12 ; 5.06,11.81 J158.12 ; 5.06,11.81 J158.12 ; 5.06,11.81 J158.12 ; 5.06,11.81 J158.12 ; 5.06,11.81 J158.12 ; 5.06,11.81 J158.12 ; 5.06,11.81 J158.12 ; 5.06,11.81 J158.12 ; 5.06,11.81 J158.12 ; 5.06,11.81 J158.12 ; 5.06,11.81 J158.12 ; 5.06,11.81 J158.12 ; 5.06,11.81 J158.12 ; 5.06,11.81 J158.12 ; 5.06,11.81 J158.12 ; 5.06,11.81 J158.12 ; 5.06,11.81 J158.12 ; 5.06,11.81 J158.12 ; 5.06,11.81 J158.12 ; 5.06,11.81 J158.12 ; 5.06,11.81 J158.12 ; 5.06,11.81 J158.12 ; 5.06,11.81 J158.12 ; 5.06,11.81 J158.12 ; 5.06,11.81 J158.12 ; 5.06,11.81 J158.12 ; 5.06,11.81 J158.12 ; 5.06,11.81 J158.12 ; 5.06,11.81 J158.12 ; 5.06,11.81 J158.12 ; 5.06,11.81 J158.12 ; 5.06,11.81 J158.12 ; 5.06,11.81 J158.12 ; 5.06,11.81 J158.12 ; 5.06,11.81 J158.12 ; 5.06,11.81 J158.12 ; 5.06,11.81 J158.12 ; 5.06,11.81 J158.12 ; 5.06,11.81 J158.12 ; 5.06,11.81 J158.12 ; 3.46,12.41 v1(3.5,12.46) ; 3.46,12.41 v1(3.5,12.46) ; 3.46,12.41 v1(3.5,12.46) ; 3.46,12.41 v1(3.5,12.46) ; 3.46,12.41 v1(3.5,12.46) ; 3.46,12.41 v1(3.5,12.46) ; 3.46,12.41 v1(3.5,12.46) ; 3.46,12.41 v1(3.5,12.46) ; 3.46,12.41 v1(3.5,12.46) ; 3.46,12.41 v1(3.5,12.46) ; 3.46,12.41 v1(3.5,12.46) ; 3.46,12.41 v1(3.5,12.46) ; 3.46,12.41 v1(3.5,12.46) ; 3.46,12.41 v1(3.5,12.46) ; 3.46,12.41 v1(3.5,12.46) ; 3.46,12.41 v1(3.5,12.46) ; 3.46,12.41 v1(3.5,12.46) ; 3.46,12.41 v1(3.5,12.46) ; 3.46,12.41 v1(3.5,12.46) ; 3.46,12.41 v1(3.5,12.46) ; 3.46,12.41 v1(3.5,12.46) ; 3.46,12.41 v1(3.5,12.46) ; 3.46,12.41 v1(3.5,12.46) ; 3.46,12.41 v1(3.5,12.46) ; 3.46,12.41 v1(3.5,12.46) ; 3.46,12.41 v1(3.5,12.46) ; 3.46,12.41 v1(3.5,12.46) ; 3.46,12.41 v1(3.5,12.46) ; 3.46,12.41 v1(3.5,12.46) ; 3.46,12.41 v1(3.5,12.46) ; 3.46,12.41 v1(3.5,12.46) ; 3.46,12.41 v1(3.5,12.46) ; 3.46,12.41 v1(3.5,12.46) ; 3.46,12.41 v1(3.5,12.46) ; 3.46,12.41 v1(3.5,12.46) ; 3.46,12.41 v1(3.5,12.46) ; 3.46,12.41 v1(3.5,12.46) ; 3.46,12.41 v1(3.5,12.46) ; 3.46,12.41 v1(3.5,12.46) ; 3.46,12.41 v1(3.5,12.46) ; 3.46,12.41 v1(3.5,12.46) ; 3.46,12.41 v1(3.5,12.46)
  Bottom w0.1: v1(3.5,12.46) 3.5,12.38 ; v1(3.5,12.46) 3.5,12.38 ; v1(3.5,12.46) 3.5,12.38 ; v1(3.5,12.46) 3.5,12.38 ; v1(3.5,12.46) 3.5,12.38 ; v1(3.5,12.46) 3.5,12.38 ; v1(3.5,12.46) 3.5,12.38 ; v1(3.5,12.46) 3.5,12.38 ; v1(3.5,12.46) 3.5,12.38 ; v1(3.5,12.46) 3.5,12.38 ; v1(3.5,12.46) 3.5,12.38 ; v1(3.5,12.46) 3.5,12.38 ; v1(3.5,12.46) 3.5,12.38 ; v1(3.5,12.46) 3.5,12.38 ; v1(3.5,12.46) 3.5,12.38 ; v1(3.5,12.46) 3.5,12.38 ; v1(3.5,12.46) 3.5,12.38 ; v1(3.5,12.46) 3.5,12.38 ; v1(3.5,12.46) 3.5,12.38 ; v1(3.5,12.46) 3.5,12.38 ; v1(3.5,12.46) 3.5,12.38 ; v1(3.5,12.46) 3.5,12.38 ; v1(3.5,12.46) 3.5,12.38 ; v1(3.5,12.46) 3.5,12.38 ; v1(3.5,12.46) 3.5,12.38 ; v1(3.5,12.46) 3.5,12.38 ; v1(3.5,12.46) 3.5,12.38 ; v1(3.5,12.46) 3.5,12.38 ; v1(3.5,12.46) 3.5,12.38 ; v1(3.5,12.46) 3.5,12.38 ; v1(3.5,12.46) 3.5,12.38 ; v1(3.5,12.46) 3.5,12.38 ; v1(3.5,12.46) 3.5,12.38 ; v1(3.5,12.46) 3.5,12.38 ; v1(3.5,12.46) 3.5,12.38 ; v1(3.5,12.46) 3.5,12.38 ; v1(3.5,12.46) 3.5,12.38 ; v1(3.5,12.46) 3.5,12.38 ; v1(3.5,12.46) 3.5,12.38 ; v1(3.5,12.46) 3.5,12.38 ; v1(3.5,12.46) 3.5,12.38 ; v1(3.5,12.46) 3.5,12.38 ; 3.5,12.38 4.3,11.58 ; 3.5,12.38 4.3,11.58 ; 3.5,12.38 4.3,11.58 ; 3.5,12.38 4.3,11.58 ; 3.5,12.38 4.3,11.58 ; 3.5,12.38 4.3,11.58 ; 3.5,12.38 4.3,11.58 ; 3.5,12.38 4.3,11.58 ; 3.5,12.38 4.3,11.58 ; 3.5,12.38 4.3,11.58 ; 3.5,12.38 4.3,11.58 ; 3.5,12.38 4.3,11.58 ; 3.5,12.38 4.3,11.58 ; 3.5,12.38 4.3,11.58 ; 3.5,12.38 4.3,11.58 ; 3.5,12.38 4.3,11.58 ; 3.5,12.38 4.3,11.58 ; 3.5,12.38 4.3,11.58 ; 3.5,12.38 4.3,11.58 ; 3.5,12.38 4.3,11.58 ; 3.5,12.38 4.3,11.58 ; 3.5,12.38 4.3,11.58 ; 3.5,12.38 4.3,11.58 ; 3.5,12.38 4.3,11.58 ; 3.5,12.38 4.3,11.58 ; 3.5,12.38 4.3,11.58 ; 3.5,12.38 4.3,11.58 ; 3.5,12.38 4.3,11.58 ; 3.5,12.38 4.3,11.58 ; 3.5,12.38 4.3,11.58 ; 3.5,12.38 4.3,11.58 ; 3.5,12.38 4.3,11.58 ; 3.5,12.38 4.3,11.58 ; 3.5,12.38 4.3,11.58 ; 3.5,12.38 4.3,11.58 ; 3.5,12.38 4.3,11.58 ; 3.5,12.38 4.3,11.58 ; 3.5,12.38 4.3,11.58 ; 3.5,12.38 4.3,11.58 ; 3.5,12.38 4.3,11.58 ; 3.5,12.38 4.3,11.58 ; 3.5,12.38 4.3,11.58 ; 4.3,11.58 J173.68 ; 4.3,11.58 J173.68 ; 4.3,11.58 J173.68 ; 4.3,11.58 J173.68 ; 4.3,11.58 J173.68 ; 4.3,11.58 J173.68 ; 4.3,11.58 J173.68 ; 4.3,11.58 J173.68 ; 4.3,11.58 J173.68 ; 4.3,11.58 J173.68 ; 4.3,11.58 J173.68 ; 4.3,11.58 J173.68 ; 4.3,11.58 J173.68 ; 4.3,11.58 J173.68 ; 4.3,11.58 J173.68 ; 4.3,11.58 J173.68 ; 4.3,11.58 J173.68 ; 4.3,11.58 J173.68 ; 4.3,11.58 J173.68 ; 4.3,11.58 J173.68 ; 4.3,11.58 J173.68 ; 4.3,11.58 J173.68 ; 4.3,11.58 J173.68 ; 4.3,11.58 J173.68 ; 4.3,11.58 J173.68 ; 4.3,11.58 J173.68 ; 4.3,11.58 J173.68 ; 4.3,11.58 J173.68 ; 4.3,11.58 J173.68 ; 4.3,11.58 J173.68 ; 4.3,11.58 J173.68 ; 4.3,11.58 J173.68 ; 4.3,11.58 J173.68 ; 4.3,11.58 J173.68 ; 4.3,11.58 J173.68 ; 4.3,11.58 J173.68 ; 4.3,11.58 J173.68 ; 4.3,11.58 J173.68 ; 4.3,11.58 J173.68 ; 4.3,11.58 J173.68 ; 4.3,11.58 J173.68 ; 4.3,11.58 J173.68
/PIN 4: length 249.3